# KiCad board BACKUP_PCB.kicad_pcb (continued)
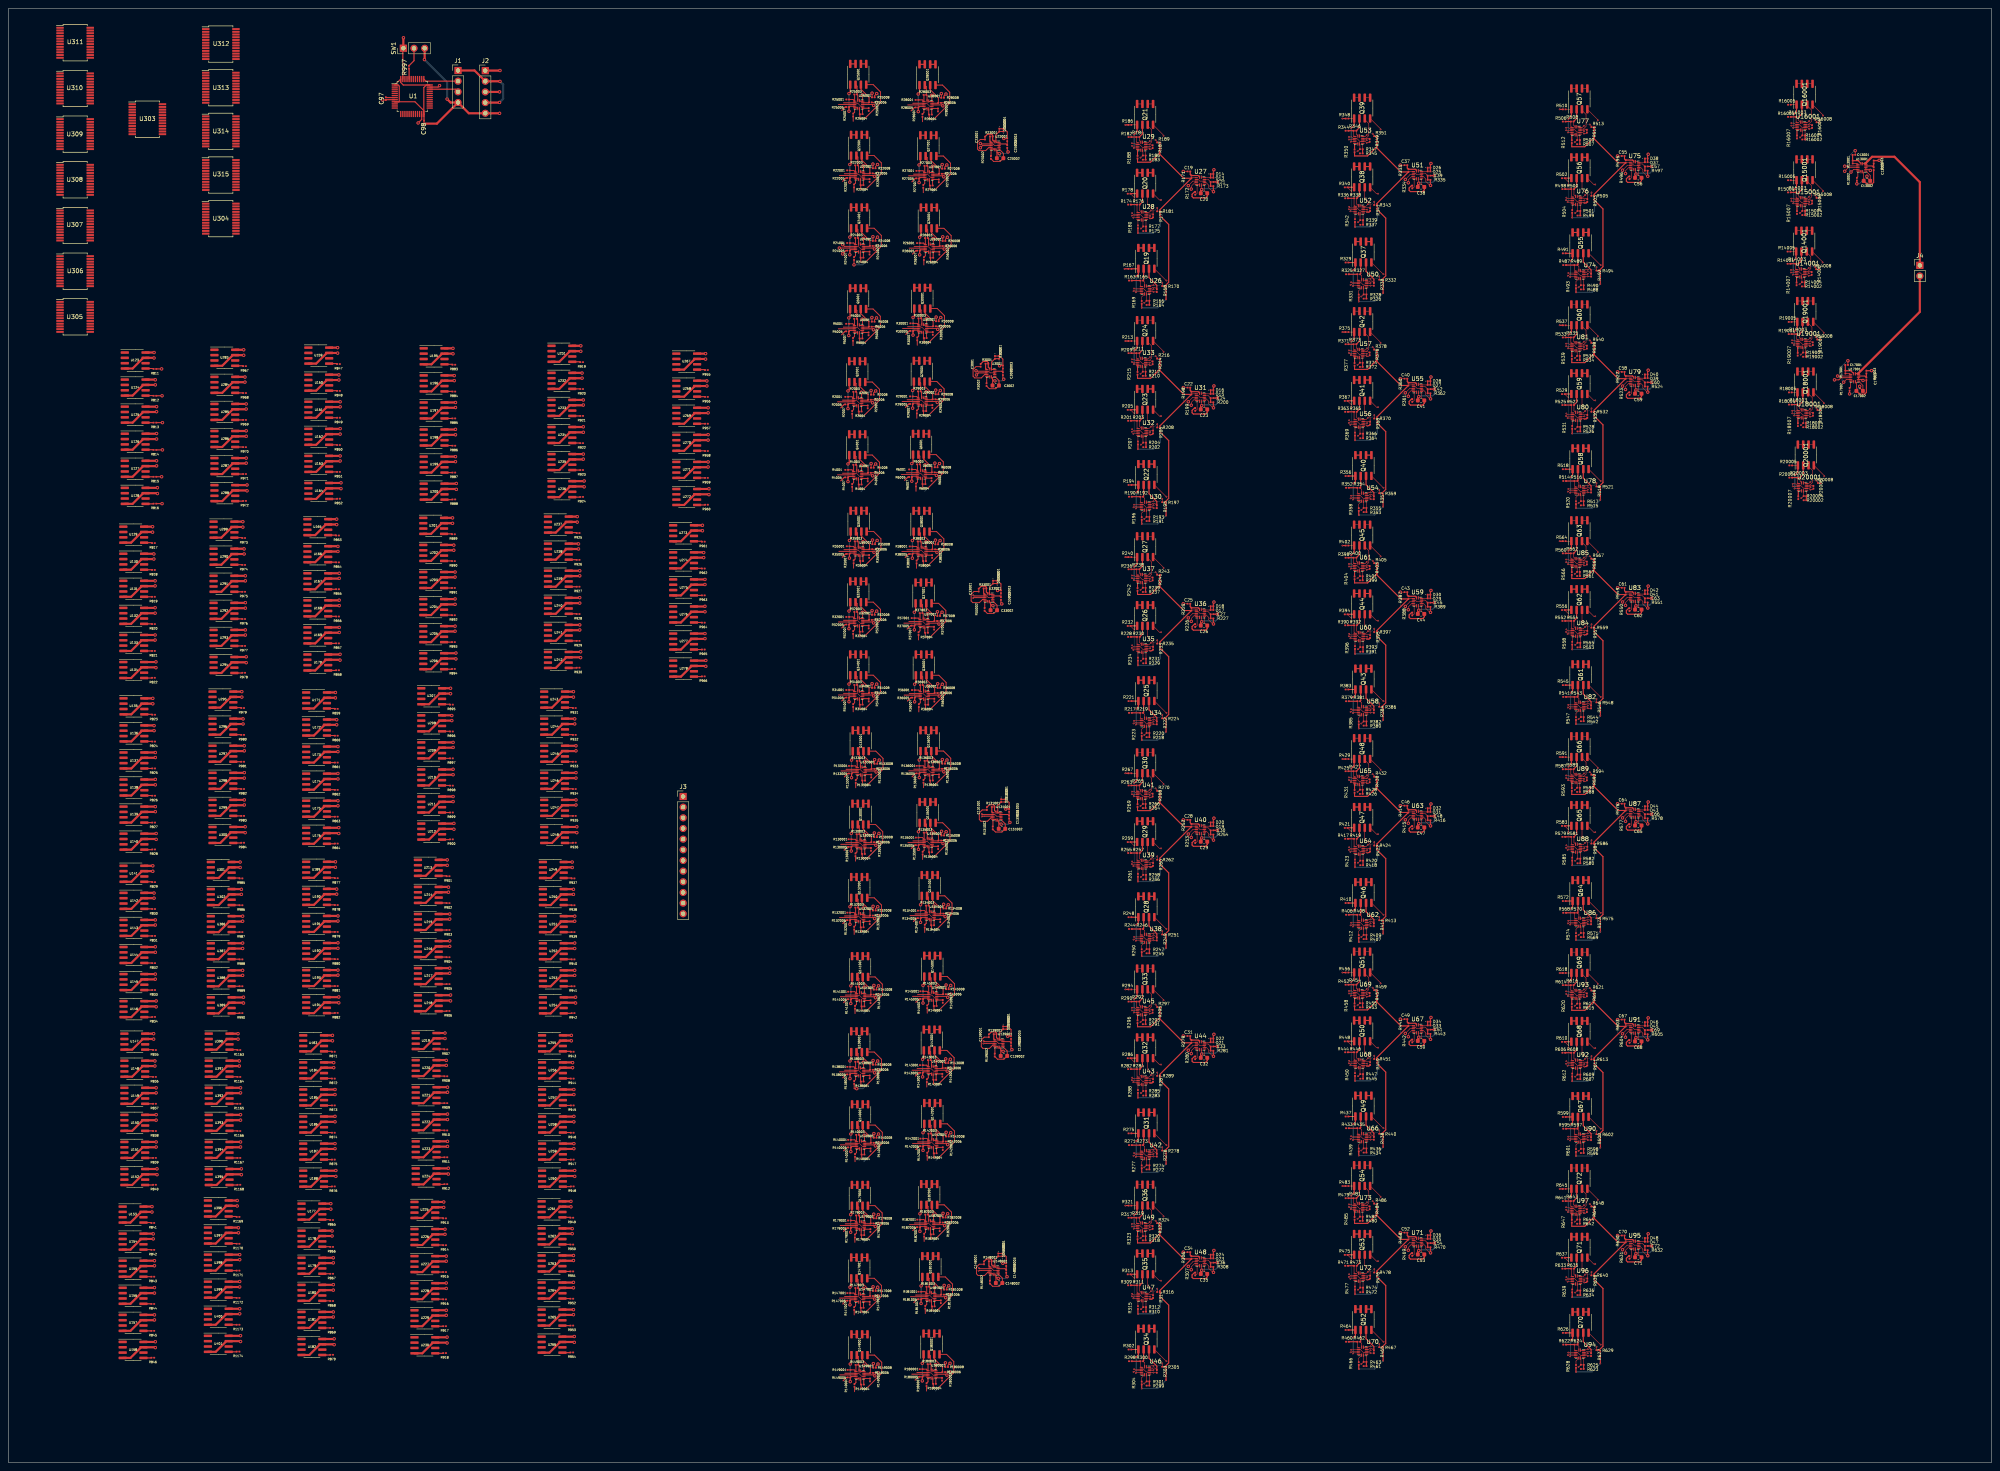
[diagram p0: board, top side]
## Routing (per net, layer and track width the routed paths; a pad name or vN(x,y) marks a point on that pad's centre or on a via; arc(x,y) is an arc through that point) (continued)
  Top w0.13: U148001.10 234.68,45.79 234.28,46.19 U148001.2 ; U33001.10 233.43,206.1 233.03,206.5 U33001.2 ; U139001.2 235.44,100.3 235.84,99.9 U139001.10 ; U131001.2 234.97,154.43 235.37,154.03 U131001.10 ; U3001.10 233.89,259.65 233.49,260.05 U3001.2 ; U23001.2 234.53,314.2 234.93,313.8 U23001.10
  Top w0.15: v2(437.41,308.9) 437.46,308.95 U13001.2 ; U17001.2 435.73,258.9
  Top w0.2: R22006.1 v2(207.03,307.2) ; D139001.1 D139002.2 238.1,103.92 238.84,103.18 R139003.2 238.06,101.62 v2(238.04,101.6) ; R142006.1 v2(224.47,76.5) ; R140006.1 v2(207.27,76.2) ; U134001.2 215.97,130.72 ; D148001.1 D148002.2 236.94,49.81 237.68,49.07 R148003.2 236.9,47.51 v2(236.88,47.49) ; R147006.1 v2(207.07,39.69) ; U2001.2 198.69,253.15 ; v2(441.77,257.84) 441.52,258.1 U17001.9 U17001.10 ; U5001.2 198.89,270.55 ; U27001.2 215.63,307 ; v2(237.57,155.72) 237.59,155.75 R131003.2 238.37,157.3 237.62,158.04 D131002.2 D131001.1 ; U132001.2 199.17,130.25 ; D3001.1 D3002.2 236.14,263.67 236.89,262.93 R3003.2 236.11,261.37 v2(236.09,261.35) ; U147001.2 199.17,39.59 ; v2(230.49,260.15) 230.59,260.06 230.59,260.05 U3001.2 ; U34001.2 198.93,183.3 ; U28001.2 215.43,323.9 ; U35001.2 199.03,217.53 ; U33001.2 230,206.5 v1(229.82,206.68) ; R26006.1 v2(223.66,289.88) ; R35006.1 v2(206.93,217.62) ; U4001.2 198.69,235.75 ; R29006.1 v2(221.99,253.35) ; R134006.1 v2(223.87,130.82) ; R141006.1 v2(207.27,111.5) ; U3001.10 U3001.9 ; U36001.2 214.56,183.28 ; U182001.2 215.83,57.09 ; R34006.1 v2(206.83,183.4) ; R135006.1 v2(223.37,148.22) ; R138006.1 v2(207.07,93.6) ; R133006.1 v2(207.44,165.3) ; v1(232.27,100.5) 232.47,100.3 U139001.2 ; U142001.2 216.57,76.4 ; U141001.2 199.37,111.4 ; R143006.1 v2(224.37,94) ; R4006.1 v2(206.59,235.85) ; U145001.2 216.57,111.5 ; R30006.1 v2(222.09,270.75) ; U131001.2 231.99,154.43 v1(231.84,154.58) ; R179006.1 v2(207.23,56.99) ; U25001.2 198.93,324 ; D23001.1 D23002.2 237.18,317.82 237.93,317.08 R23003.2 237.15,315.52 v2(237.13,315.5) ; U131001.10 U131001.9 ; R32006.1 v2(206.83,200.8) ; v2(443.81,260.2) 443.79,260.18 443.79,260.16 ; R145006.1 v2(224.47,111.6) ; U148001.10 U148001.9 ; U37001.2 214.5,200.43 ; U23001.10 U23001.9 ; R25006.1 v2(206.83,324.1) ; U179001.2 199.33,56.89 ; R38006.1 v2(221.93,217.6) ; U26001.2 215.76,289.77 ; U29001.2 214.09,253.25 ; U30001.2 214.19,270.65 ; U139001.10 U139001.9 ; U33001.10 U33001.9 ; U22001.2 199.13,307.1 ; R180006.1 v2(224.3,21.57) ; R24006.1 v2(207.03,289.9) ; U130001.2 199.47,147.72 ; 435.73,258.9 v2(435.71,258.9) ; U148001.2 231.33,46.19 v1(231.13,46.39) ; v2(235.63,207.8) 235.65,207.82 R33003.2 236.43,209.38 235.68,210.12 D33002.2 D33001.1 ; R5006.1 v2(206.79,270.65) ; U38001.2 214.03,217.5 ; U13001.10 U13001.9 443.25,308.15 v2(443.51,307.9) ; U133001.2 199.54,165.2 ; R27006.1 v2(223.53,307.1) ; U181001.2 216.1,39.92 ; R6006.1 v2(221.79,235.95) ; R36006.1 v2(222.46,183.38) ; U138001.2 199.17,93.5 ; v2(198.73,290.2) 199.13,289.8 U24001.2 ; R149006.1 v2(207.13,21.39) ; U140001.2 199.37,76.1 ; U143001.2 216.47,93.9 ; U23001.2 231.63,314.2 v2(231.53,314.3) ; R28006.1 v2(223.33,324) ; R181006.1 v2(224,40.02) ; U32001.2 198.93,200.7 ; R132006.1 v2(207.07,130.35) ; R136006.1 v2(223.57,165.32) ; R130006.1 v2(207.37,147.82) ; U180001.2 216.4,21.47 ; U6001.2 213.89,235.85 ; U135001.2 215.47,148.12 ; U149001.2 199.23,21.29 ; U136001.2 215.67,165.22 ; R2006.1 v2(206.59,253.25) ; R37006.1 v2(222.4,200.53) ; R182006.1 v2(223.73,57.19)
  Top w0.25: R497.2 390.46,306.56 v2(390.5,306.51) ; v2(287.06,96.83) 287.01,96.87 R281.2 ; 198.83,19.49 199.63,20.29 R149005.1 ; R470.2 338.71,50.02 v2(338.76,49.98) ; R510.1 v1(369.5,322.44) ; R29005.1 214.49,252.25 213.69,251.45 ; 215.23,305.2 216.03,306 R27005.1 ; R557.1 375.82,197.25 v1(375.4,197.25) ; v2(390.6,311.74) 390.46,311.6 D38.2 D37.1 ; 215.36,287.98 216.16,288.77 R26005.1 ; v2(390.6,105.96) 390.46,105.82 D46.2 D45.1 ; R25005.1 199.33,323 198.53,322.2 ; R32005.1 199.33,199.7 198.53,198.9 ; R143005.1 216.87,92.9 216.07,92.1 ; R368.1 324.08,247.08 v1(323.66,247.08) ; v2(390.6,260.29) 390.46,260.15 D40.2 D39.1 ; v2(287.06,148.33) 287.01,148.37 R254.2 ; R362.2 338.71,253.5 v2(338.76,253.46) ; 215.7,38.12 216.5,38.92 R181005.1 ; R141005.1 199.77,110.4 198.97,109.6 ; v2(287.06,45.33) 287.01,45.37 R308.2 ; 198.77,128.45 199.57,129.25 R132005.1 ; R233.1 272.38,193.45 v1(271.96,193.45) ; R38005.1 214.43,216.5 213.63,215.7 ; D29.1 D30.2 338.71,207.67 v2(338.86,207.81) ; R17003.2 443.79,260.16 ; 198.29,251.35 199.09,252.15 R2005.1 ; v2(287.06,199.83) 287.01,199.87 R227.2 ; 198.29,233.95 199.09,234.75 R4005.1 ; R578.2 390.46,152.22 v2(390.5,152.18) ; D33.1 D34.2 338.71,105.93 v2(338.86,106.07) ; v2(338.86,309.55) 338.71,309.41 D26.2 D25.1 ; R167.1 v1(265.86,284.45) ; D31.1 D32.2 338.71,156.8 v2(338.86,156.94) ; R135005.1 215.87,147.12 215.07,146.32 ; R638.1 375.82,42.92 v1(375.4,42.92) ; R564.1 v1(369.5,219.55) ; R456.1 v1(317.76,116.77) ; v2(390.6,157.41) 390.46,157.26 D44.2 D43.1 ; 215.43,55.29 216.23,56.09 R182005.1 ; 198.77,37.79 199.57,38.59 R147005.1 ; D15.1 D16.2 287.01,256.41 v2(287.16,256.55) ; D41.1 D42.2 390.46,208.71 v2(390.6,208.85) ; D21.1 D22.2 287.01,101.91 v2(287.16,102.05) ; v1(271.96,296.45) 272.38,296.45 R179.1 ; v1(323.66,43.6) 324.08,43.6 R476.1 ; 215.57,128.93 216.37,129.72 R134005.1 ; R645.1 v1(369.5,65.22) ; R530.1 375.82,248.69 v1(375.4,248.69) ; D23.1 D24.2 287.01,50.41 v2(287.16,50.55) ; v2(102.7,328.1) 102.35,327.75 U1.35 ; 198.97,74.3 199.77,75.1 R140005.1 ; R503.1 375.82,300.14 v1(375.4,300.14) ; 198.93,55.09 199.73,55.89 R179005.1 ; R136005.1 216.07,164.22 215.27,163.43 ; 216.17,109.7 216.97,110.5 R145005.1 ; 216,19.67 216.8,20.47 R180005.1 ; 198.73,305.3 199.53,306.1 R22005.1 ; 199.07,145.93 199.87,146.72 R130005.1 ; R591.1 v1(369.5,168.11) ; R142005.1 216.97,75.4 216.17,74.6 ; R240.1 v1(266.06,215.75) ; R314.1 272.38,38.95 v1(271.96,38.95) ; 198.49,268.75 199.29,269.55 R5005.1 ; R443.2 338.71,100.89 v2(338.76,100.85) ; R213.1 v1(266.06,267.25) ; D17.1 D18.2 287.01,204.91 v2(287.16,205.05) ; R30005.1 214.59,269.65 213.79,268.85 ; D47.1 D48.2 390.46,54.38 v2(390.6,54.52) ; U1.47 93.95,336.88 ; R395.1 324.08,196.21 v1(323.66,196.21) ; 213.49,234.05 214.29,234.85 R6005.1 ; R36005.1 214.96,182.28 214.16,181.47 ; R375.1 v1(317.76,269.38) ; R389.2 338.71,202.63 v2(338.76,202.59) ; R200.2 287.01,251.37 v2(287.06,251.33) ; R618.1 v1(369.5,116.66) ; R34005.1 199.33,182.3 198.53,181.5 ; R287.1 272.38,90.45 v1(271.96,90.45) ; D35.1 D36.2 338.71,55.06 v2(338.86,55.2) ; v2(390.5,255.07) 390.46,255.11 R524.2 ; 89.97,324.75 U1.8 ; R449.1 324.08,94.47 v1(323.66,94.47) ; C97.1 89.12,324.68 v2(89.1,324.7) ; R335.2 338.71,304.37 v2(338.76,304.33) ; v2(338.86,258.68) 338.71,258.54 D28.2 D27.1 ; R294.1 v1(266.06,112.75) ; R35005.1 199.43,216.53 198.63,215.72 ; v1(323.66,145.34) 324.08,145.34 R422.1 ; 198.77,91.7 199.57,92.5 R138005.1 ; R28005.1 215.83,322.9 215.03,322.1 ; R605.2 390.46,100.78 v2(390.5,100.74) ; R537.1 v1(369.5,270.99) ; v1(375.4,145.81) 375.82,145.81 R584.1 ; v2(287.06,302.83) 287.01,302.87 R173.2 ; v1(271.96,244.95) 272.38,244.95 R206.1 ; 214.1,198.62 214.9,199.43 R37005.1 ; v2(97.6,319.2) 98.45,320.05 U1.23 ; v2(338.76,151.72) 338.71,151.76 R416.2 ; v2(287.16,308.05) 287.01,307.91 D14.2 D13.1 ; R186.1 v1(266.06,318.75) ; R348.1 v1(317.76,320.25) ; 199.14,163.4 199.94,164.2 R133005.1 ; v1(375.4,94.36) 375.82,94.36 R611.1 ; v2(287.16,153.55) 287.01,153.41 D20.2 D19.1 ; v1(323.66,297.95) 324.08,297.95 R341.1 ; R483.1 v1(317.76,65.9) ; R321.1 v1(266.06,61.25) ; R267.1 v1(266.06,164.25) ; R24005.1 199.53,288.8 v2(198.73,288) ; v1(271.96,141.95) 272.38,141.95 R260.1 ; R13003.2 445.53,310.22 v2(445.61,310.3) ; R551.2 390.46,203.67 v2(390.5,203.63) ; R429.1 v1(317.76,167.64) ; R632.2 390.46,49.34 v2(390.5,49.29) ; R402.1 v1(317.76,218.51)
  Top w0.5: U222.7 104.58,81.74 v2(104.6,81.75) ; 31.82,134.49 29.28,131.94 U142.4 ; 71.22,221 73.08,221 75.62,223.53 ; U194.7 78.61,109.63 v2(78.7,109.55) ; U273.4 160.21,219.53 162.75,222.07 ; 102.75,183.24 100.21,180.7 U207.4 ; U153.7 34.16,59.74 v2(34.2,59.7) ; U399.4 49.38,39.3 51.92,41.83 ; v2(78.42,264.37) 78.39,264.4 U159.7 ; U206.4 100.68,189.04 103.22,191.59 ; v2(78.5,162.9) 78.48,162.88 U174.7 ; v2(136.95,252) 136.88,251.94 U233.7 ; 70.92,160.34 72.78,160.34 75.32,162.88 ; U285.7 56.58,250.99 v2(56.65,251.05) ; v2(105.92,157.5) 105.86,157.44 U211.7 ; U164.7 79.14,232.15 v2(79.22,232.06) ; 32.33,221.74 34.31,221.74 v2(34.35,221.7) ; 131.52,94.08 128.98,91.55 U256.4 ; v2(35.2,108.6) 35.12,108.69 U146.7 ; 131.52,68.29 128.98,65.75 U260.4 ; 32.02,94.49 29.48,91.94 27.62,91.94 ; 101.42,88.19 98.88,85.64 97.03,85.64 ; U123.4 29.58,260.69 32.12,263.24 ; v2(34.8,46.9) 34.73,46.83 U155.7 ; 74.62,68.29 72.08,65.75 70.22,65.75 ; 74.22,53.99 71.68,51.44 69.83,51.44 ; 31.62,33.94 29.08,31.39 U157.4 ; U290.4 50.73,213.94 53.27,216.49 ; U226.7 104.02,54.38 v2(104,54.4) ; U141.7 34.37,140.94 v2(34.4,140.9) ; U256.7 134.41,94.08 v2(134.4,94.1) ; v2(34.65,215.3) 34.66,215.28 U130.7 ; U233.4 131.23,249.39 133.77,251.94 ; 96.72,32.5 98.58,32.5 101.12,35.04 ; v2(104.53,142.31) 104.49,142.35 U213.7 ; U259.7 134.63,74.74 v2(134.7,74.8) ; U202.4 100.68,214.84 103.22,217.38 ; U255.4 128.98,98 131.52,100.54 ; v2(166.68,250.13) 166.61,250.07 U269.7 ; v2(165.62,215.63) 165.64,215.62 U274.7 ; U253.7 134.84,116.03 v2(134.9,116.1) ; v2(55.1,35.45) 55.03,35.38 U400.7 ; 31.82,148.59 29.28,146.04 U140.4 ; v2(166.68,237.24) 166.61,237.17 U271.7 ; v2(166.38,256.53) 166.39,256.52 U268.7 ; U272.4 160.96,228.18 163.5,230.72 ; U160.7 78.74,257.95 v2(78.72,257.97) ; U137.7 34.94,167.94 v2(35,168) ; U128.7 35.41,230.99 v2(35.5,230.9) ; U290.7 56.17,216.49 v2(56.15,216.5) ; U139.4 29.28,152.5 31.82,155.03 ; 51.92,35.38 49.38,32.85 U400.4 ; v2(77.2,100.5) 77.17,100.54 75.17,100.54 ; v2(134.7,87.7) 134.63,87.63 U257.7 ; U247.7 135.13,156.63 v2(135.2,156.7) ; U294.4 50.73,188.15 53.27,190.69 ; v2(117.1,329.1) 117.06,329.13 J2.2 111.03,331.7 J1.1 ; U224.4 98.88,66.3 101.42,68.83 ; v2(55.5,68.6) 55.42,68.69 U395.7 ; v2(134.3,141.8) 134.26,141.84 132.28,141.84 ; v2(56.2,156.7) 56.14,156.63 U299.7 ; U168.7 78.78,204.19 v2(78.8,204.2) ; U136.7 34.72,174.38 v2(34.7,174.4) ; U127.7 35.23,237.44 v2(35.3,237.5) ; 131.42,48.08 128.88,45.55 U263.4 ; U221.7 104.53,88.19 v2(104.6,88.25) ; U150.4 29.48,79.05 32.02,81.58 ; 27.62,66.14 29.48,66.14 32.02,68.69 ; 31.62,46.83 29.08,44.3 U155.4 ; 70.92,113.54 72.78,113.54 75.32,116.09 ; v2(135.8,217.7) 135.81,217.69 U238.7 ; v2(105.92,170.41) 105.86,170.34 U209.7 ; 74.62,94.08 72.08,91.55 70.22,91.55 ; U246.4 129.48,160.54 132.02,163.09 ; v2(134.6,48.15) 134.53,48.08 U263.7 ; U298.7 56.19,163.09 v2(56.2,163.1) ; U274.4 160.21,213.08 162.75,215.62 ; 133.77,264.83 131.23,262.3 U231.4 ; U223.4 98.88,72.75 101.42,75.29 ; U235.7 136.88,239.03 v2(136.95,239.1) ; 75.62,217.09 73.08,214.54 71.22,214.54 ; U252.7 134.88,122.49 v2(134.9,122.5) ; U277.7 165.86,196.27 v2(165.93,196.34) ; v2(76.8,60.4) 76.77,60.44 74.78,60.44 ; 131.72,141.84 129.18,139.29 127.32,139.29 ; 32.02,100.94 29.48,98.39 27.62,98.39 ; v2(55.8,129) 55.73,128.94 U386.7 ; SW1.1 94.08,339.48 v2(94.1,339.5) ; U213.4 99.41,139.81 101.95,142.35 ; U294.7 56.56,190.69 v2(56.65,190.6) ; v2(106.4,204.5) 106.39,204.49 103.78,204.49 ; v2(105.33,110.01) 105.24,110.1 U218.7 ; v2(136.65,258.4) 136.66,258.38 U232.7 ; 131.42,60.99 128.88,58.44 127.03,58.44 ; U162.7 79.01,245.05 v2(79.03,245.06) ; v2(135.4,150.1) 135.31,150.19 U248.7 ; v2(78.5,116.15) 78.44,116.09 U193.7 ; v2(35.4,68.6) 35.31,68.69 U152.7 ; U192.7 78.48,122.53 v2(78.5,122.55) ; 49.08,235.55 50.93,235.55 53.47,238.08 ; v2(106.1,217.4) 106.11,217.38 103.78,217.38 ; v2(104.8,68.75) 104.72,68.83 U224.7 ; 134.32,232.58 137.06,232.58 v2(137.15,232.5) ; v2(104.3,41.5) 104.28,41.49 U228.7 ; U146.4 29.28,106.15 31.82,108.69 ; 162.75,209.17 160.21,206.63 U275.4 ; U296.7 55.92,175.99 v2(55.9,176) ; v2(105.12,123.01) 105.11,123 U216.7 ; 75.32,122.53 72.78,120 70.92,120 ; v2(56,109.5) 55.92,109.59 U389.7 ; U227.7 104.23,47.94 v2(104.3,48) ; v2(103.7,60.8) 103.67,60.83 U225.7 ; 49.08,261.35 50.93,261.35 53.47,263.88 ; U181.4 71.68,32.1 74.22,34.63 ; 75.32,128.99 72.78,126.44 70.92,126.44 ; U143.4 29.28,125.5 31.82,128.03 ; U158.7 34.91,27.49 v2(35,27.4) ; 132.92,191.88 130.38,189.34 U242.4 ; 74.22,60.44 71.68,57.89 U177.4 ; v2(35.2,75.2) 35.13,75.13 U151.7 ; 75.85,238.6 73.31,236.06 U163.4 ; 75.32,149.99 72.78,147.44 70.92,147.44 ; U135.4 29.28,178.29 31.82,180.84 ; U296.4 50.48,173.44 53.02,175.99 ; v2(78.2,175.8) 78.22,175.78 U172.7 ; 52.62,135.38 50.08,132.84 U302.4 ; 49.08,254.89 50.93,254.89 53.47,257.44 ; 53.17,141.84 55.17,141.84 v2(55.2,141.8) ; 96.72,51.85 98.58,51.85 101.12,54.38 ; 98.92,242.34 100.78,242.34 103.32,244.88 ; U166.7 78.52,217.09 v2(78.5,217.1) ; U176.7 78.61,149.99 v2(78.7,149.9) ; v2(56.05,263.85) 56.02,263.88 U283.7 ; U156.7 34.78,40.38 v2(34.8,40.4) ; U216.4 99.41,120.46 101.95,123 ; U139.7 34.94,155.03 v2(35,155.1) ; v2(55.3,81.6) 55.28,81.58 U393.7 ; U292.4 50.73,201.04 53.27,203.59 ; 101.42,101.08 98.88,98.55 U219.4 ; v2(106.6,191.5) 106.52,191.59 103.78,191.59 ; 75.85,232.15 73.31,229.61 U164.4 ; 47.73,98.39 49.58,98.39 52.12,100.94 ; U398.7 55.03,48.29 v2(55.1,48.35) ; v2(35.15,189.4) 35.06,189.49 U134.7 ; U270.4 160.96,241.08 163.5,243.62 ; U243.7 134.56,182.44 v2(134.6,182.4) ; U388.4 50.08,113.5 52.62,116.03 ; 131.42,41.63 128.88,39.1 U264.4 ; v2(55.8,122.5) 55.78,122.49 U387.7 ; U128.4 29.58,228.44 32.12,230.99 ; v2(134,60.95) 133.97,60.99 U261.7 ; U138.4 29.28,158.94 31.82,161.49 ; 74.62,81.19 72.08,78.64 70.22,78.64 ; 102.75,157.44 100.21,154.9 U211.4 ; 53.02,163.09 50.48,160.54 U298.4 ; U300.7 56.31,150.19 v2(56.4,150.1) ; U277.4 160.21,193.73 162.75,196.27 ; U286.7 56.64,244.53 v2(56.65,244.55) ; 31.62,40.38 29.08,37.85 U156.4 ; 31.77,215.28 29.23,212.75 U130.4 ; U235.4 131.23,236.5 133.77,239.03 ; 132.02,156.63 129.48,154.09 U247.4 ; v2(79.03,251.56) 78.96,251.5 U161.7 ; 31.62,59.74 29.08,57.19 U153.4 ; v2(134.9,176) 134.91,175.99 U244.7 ; U291.7 56.39,210.03 v2(56.45,210.1) ; 31.77,189.49 29.23,186.94 U134.4 ; v2(79.03,238.67) 78.96,238.6 U163.7 ; v2(34.6,100.9) 34.56,100.94 U147.7 ; v2(55.3,28.85) 55.22,28.94 U401.7 ; 52.67,88.04 55.23,88.04 v2(55.3,88.1) ; 132.02,182.44 129.48,179.9 U243.4 ; v2(56.2,169.6) 56.14,169.53 U297.7 ; v2(35.2,88.1) 35.13,88.04 32.58,88.04 ; U278.7 166.04,189.82 v2(166.12,189.74) ; U240.4 130.38,202.25 132.92,204.78 ; U250.7 134.62,135.38 v2(134.6,135.4) ; U200.7 106.61,231.99 v2(106.7,231.9) ; 103.78,198.03 106.33,198.03 v2(106.4,198.1) ; U222.4 98.88,79.19 101.42,81.74 ; U167.7 78.73,210.63 v2(78.8,210.7) ; 101.12,60.83 98.58,58.3 96.72,58.3 ; v2(34.8,34) 34.73,33.94 U157.7 ; U190.7 78.22,135.44 v2(78.2,135.45) ; U232.4 131.23,255.84 133.77,258.38 ; U398.4 49.38,45.75 51.92,48.29 ; U165.7 78.17,223.53 v2(78.2,223.5) ; v2(35,115.2) 34.94,115.13 U145.7 ; U276.7 165.91,202.72 v2(165.93,202.74) ; U291.4 50.73,207.5 53.27,210.03 ; v2(56.45,203.6) 56.44,203.59 U292.7 ; 52.62,122.49 50.08,119.94 U387.4 ; 131.72,122.49 129.18,119.94 127.32,119.94 ; 131.72,116.03 129.18,113.5 127.32,113.5 ; U230.7 104.42,28.58 v2(104.5,28.5) ; 32.33,208.84 34.88,208.84 v2(34.95,208.9) ; v2(34.5,53.3) 34.52,53.29 U154.7 ; 75.62,204.19 73.08,201.65 71.22,201.65 ; 75.32,141.88 72.78,139.34 70.92,139.34 ; 127.32,107.04 129.18,107.04 131.72,109.59 ; v2(35.2,81.6) 35.19,81.58 U150.7 ; 75.32,135.44 72.78,132.9 70.92,132.9 ; 51.92,54.74 49.38,52.19 U397.4 ; 102.75,150.99 100.21,148.45 U212.4 ; 52.12,81.58 49.58,79.05 U393.4 ; 103.22,210.94 100.68,208.4 U203.4 ; U149.4 29.48,85.5 32.02,88.04 ; U240.7 136.09,204.78 v2(136.1,204.8) ; U179.4 71.68,45 74.22,47.54 ; v2(136.1,211.3) 136.03,211.24 133.47,211.24 ; 163.5,256.52 160.96,253.98 U268.4 ; 163.5,262.97 160.96,260.43 U267.4 ; U295.7 55.56,182.44 v2(55.6,182.4) ; v2(77.9,141.85) 77.86,141.88 U189.7 ; 162.75,202.72 160.21,200.18 U276.4 ; v2(55.1,41.85) 55.08,41.83 U399.7 ; v2(105.12,129.51) 105.06,129.45 U215.7 ; v2(77.8,81.2) 77.78,81.19 U186.7 ; 101.95,135.9 99.41,133.36 U214.4 ; U259.4 128.98,72.19 131.52,74.74 ; v2(34.4,180.8) 34.37,180.84 32.38,180.84 ; U214.7 104.84,135.9 v2(104.83,135.91) ; v2(34.7,263.2) 34.66,263.24 U123.7 ; 75.32,169.34 72.78,166.79 70.92,166.79 ; U302.7 55.52,135.38 v2(55.5,135.4) ; U210.4 100.21,161.35 102.75,163.89 ; 49.08,229.09 50.93,229.09 53.47,231.63 ; U234.4 131.23,242.94 133.77,245.49 ; 75.85,264.4 73.31,261.86 U159.4 ; 74.62,87.63 72.08,85.1 70.22,85.1 ; U127.4 29.58,234.89 32.12,237.44 ; 103.32,257.78 100.78,255.25 98.92,255.25 ; 103.32,231.99 100.78,229.44 98.92,229.44 ; U210.7 105.91,163.89 v2(105.92,163.91) ; U180.4 71.68,38.55 74.22,41.08 ; v2(55.3,75.2) 55.23,75.13 U394.7 ; 70.92,153.9 72.78,153.9 75.32,156.44 ; U248.4 129.48,147.65 132.02,150.19 ; U124.4 29.58,254.25 32.12,256.78 ; v2(165.32,222.03) 165.29,222.07 U273.7 ; 163.5,250.07 160.96,247.53 U269.4 ; v2(106.12,150.91) 106.04,150.99 U212.7 ; 69.83,25.64 71.68,25.64 74.22,28.19 ; U299.4 50.48,154.09 53.02,156.63 ; U133.4 29.23,193.4 31.77,195.94 ; 131.42,35.19 128.88,32.64 127.03,32.64 ; 103.32,238.44 100.78,235.89 98.92,235.89 ; 132.92,224.13 130.38,221.59 U237.4 ; U262.4 128.88,52 131.42,54.54 ; v2(166.68,243.63) 166.66,243.62 U270.7 ; v2(54.8,54.75) 54.81,54.74 U397.7 ; v2(117,324.1) 116.96,324.06 J2.4 ; v2(134.9,68.2) 134.81,68.29 U260.7 ; v2(77.6,28.1) 77.52,28.19 74.78,28.19 ; 52.62,128.94 50.08,126.4 U386.4 ; U390.7 54.67,100.94 v2(54.7,100.9) ; v2(79,191.2) 78.92,191.28 U170.7 ; 52.12,75.13 49.58,72.6 U394.4 ; 75.62,191.28 73.08,188.75 71.22,188.75 ; U275.7 165.86,209.17 v2(165.93,209.24) ; v2(105.12,116.62) 105.06,116.55 U217.7 ; 70.92,173.25 72.78,173.25 75.32,175.78 ; U197.7 106.44,251.33 v2(106.5,251.4) ; v2(105.62,176.81) 105.64,176.79 U208.7 ; 103.22,198.03 100.68,195.5 U205.4 ; v2(56.35,257.45) 56.36,257.44 U284.7 ; v2(77.4,47.6) 77.33,47.54 74.78,47.54 ; 70.92,107.09 72.78,107.09 75.32,109.63 ; v2(105.8,223.8) 105.77,223.84 103.78,223.84 ; U295.4 50.48,179.9 53.02,182.44 ; U396.7 54.47,61.19 v2(54.5,61.15) ; 101.42,94.63 98.88,92.1 U220.4 ; v2(104.6,75.35) 104.53,75.29 U223.7 ; 31.62,27.49 29.08,24.94 27.23,24.94 ; 101.95,129.45 99.41,126.91 U215.4 ; U245.4 129.48,167 132.02,169.53 ; U204.4 100.68,201.94 103.22,204.49 ; U209.4 100.21,167.8 102.75,170.34 ; U198.7 106.48,244.88 v2(106.5,244.9) ; U125.4 29.58,247.8 32.12,250.33 ; U271.4 160.96,234.63 163.5,237.17 ; U188.7 77.92,68.29 v2(78,68.2) ; 52.62,109.59 50.08,107.04 U389.4 ; U201.4 100.68,221.29 103.22,223.84 ; U218.4 99.41,107.56 101.95,110.1 ; 132.07,100.54 134.06,100.54 v2(134.1,100.5) ; U234.7 136.94,245.49 v2(136.95,245.5) ; U266.4 128.88,26.19 131.42,28.74 ; 53.02,169.53 50.48,167 U297.4 ; 31.82,115.13 29.28,112.59 U145.4 ; v2(134.3,54.55) 134.31,54.54 131.97,54.54 ; U133.7 34.88,195.94 v2(34.95,196) ; v2(77.9,182.2) 77.86,182.24 75.88,182.24 ; U126.4 29.58,241.34 32.12,243.88 ; 32.02,75.13 29.48,72.6 U151.4 ; U144.4 29.28,119.04 31.82,121.59 ; v2(56.45,197.2) 56.39,197.13 U293.7 ; U301.4 50.08,139.29 52.62,141.84 ; U143.7 34.94,128.03 v2(35,128.1) ; 74.78,53.99 77.11,53.99 v2(77.1,54) ; v2(104,101.05) 103.97,101.08 U219.7 ; U187.7 77.73,74.74 v2(77.8,74.8) ; 98.92,248.8 100.78,248.8 103.32,251.33 ; U208.4 100.21,174.25 102.75,176.79 ; U231.7 136.31,264.83 v2(136.35,264.8) ; U125.7 35.23,250.33 v2(35.3,250.4) ; U148.7 34.91,94.49 v2(34.9,94.5) ; U289.7 55.81,222.94 v2(55.85,222.9) ; U293.4 50.73,194.59 53.27,197.13 ; v2(34.95,202.4) 34.94,202.38 U132.7 ; v2(134.8,28.65) 134.72,28.74 U266.7 ; 47.73,91.94 49.58,91.94 52.12,94.49 ; 47.52,58.64 49.38,58.64 51.92,61.19 ; 31.82,167.94 29.28,165.4 U137.4 ; 101.12,47.94 98.58,45.39 96.72,45.39 ; U131.4 29.23,206.29 31.77,208.84 ; 103.88,257.78 106.22,257.78 v2(106.2,257.8) ; U401.4 49.38,26.39 51.92,28.94 ; v2(134.7,81.2) 134.69,81.19 U258.7 ; v2(77.4,34.7) 77.33,34.63 74.78,34.63 ; 101.95,116.55 99.41,114.01 U217.4 ; U388.7 55.73,116.03 v2(55.8,116.1) ; 74.78,41.08 77.39,41.08 v2(77.4,41.1) ; U220.7 104.31,94.63 v2(104.3,94.65) ; v2(106.5,238.5) 106.44,238.44 U199.7 ; 96.72,26.05 98.58,26.05 101.12,28.58 ; U245.7 135.13,169.53 v2(135.2,169.6) ; U288.7 56.77,231.63 v2(56.85,231.55) ; 133.47,198.34 136.03,198.34 v2(136.1,198.4) ; U138.7 34.98,161.49 v2(35,161.5) ; 127.32,132.84 129.18,132.84 131.72,135.38 ; 133.77,232.58 131.23,230.04 129.38,230.04 ; U160.4 73.31,255.41 75.85,257.95 ; 31.77,221.74 29.23,219.19 U129.4 ; U238.4 130.38,215.15 132.92,217.69 ; 75.85,245.05 73.31,242.51 U162.4 ; v2(35.3,243.9) 35.28,243.88 U126.7 ; 132.92,211.24 130.38,208.69 U239.4 ; U140.7 35.12,148.59 v2(35.2,148.5) ; 53.27,222.94 50.73,220.4 U289.4 ; U184.7 77.52,94.08 v2(77.5,94.1) ; U154.4 29.08,50.75 31.62,53.29 ; U136.4 29.28,171.84 31.82,174.38 ; 103.78,210.94 106.33,210.94 v2(106.4,211) ; U142.7 34.72,134.49 v2(34.7,134.5) ; U257.4 128.98,85.1 131.52,87.63 ; 96.72,38.94 98.58,38.94 101.12,41.49 ; v2(105.9,264.2) 105.86,264.24 U195.7 ; U251.7 134.84,128.94 v2(134.9,129) ; v2(55,94.5) 55.02,94.49 U391.7 ; U254.7 135.01,109.59 v2(135.1,109.5) ; 31.77,202.38 29.23,199.84 U132.4 ; 101.67,35.04 104.23,35.04 v2(104.3,35.1) ; 127.32,126.4 129.18,126.4 131.72,128.94 ; 31.82,140.94 29.28,138.4 U141.4 ; 75.85,251.5 73.31,248.96 U161.4 ; U265.7 134.53,35.19 v2(134.6,35.25) ; U175.7 78.44,156.44 v2(78.5,156.5) ; 131.52,81.19 128.98,78.64 127.12,78.64 ; U300.4 50.48,147.65 53.02,150.19 ; U144.7 34.98,121.59 v2(35,121.6) ; 74.62,74.74 72.08,72.19 70.22,72.19 ; U392.4 49.58,85.5 52.12,88.04 ; v2(78.5,129.05) 78.44,128.99 U191.7 ; 162.75,189.82 160.21,187.28 U278.4 ; v2(78.5,169.4) 78.44,169.34 75.88,169.34 ; 98.92,261.69 100.78,261.69 103.32,264.24 ; U264.7 134.59,41.63 v2(134.6,41.65) ; v2(77.8,87.7) 77.73,87.63 U185.7 ; 75.62,197.74 73.08,195.19 71.22,195.19 ; U272.7 166.79,230.72 v2(166.88,230.63) ; 54.03,238.08 56.58,238.08 v2(56.65,238.15) ; U267.7 166.04,262.97 v2(166.07,262.94) ; v2(35,256.8) 35.02,256.78 32.67,256.78 ; 49.08,242 50.93,242 53.47,244.53 ; U237.7 135.47,224.13 v2(135.5,224.1) ; 47.73,66.14 49.58,66.14 52.12,68.69 ; v2(78.8,197.8) 78.73,197.74 76.17,197.74 ; 71.22,208.09 73.08,208.09 75.62,210.63 ; 49.08,248.44 50.93,248.44 53.47,250.99 ; U244.4 129.48,173.44 132.02,175.99 ; U207.7 105.29,183.24 v2(105.33,183.21) ; 132.92,198.34 130.38,195.79 U241.4 ; 70.92,179.69 72.78,179.69 75.32,182.24 ; U242.7 136.22,191.88 v2(136.3,191.8) ; 70.22,98 72.08,98 74.62,100.54 ; v2(135.2,163.1) 135.19,163.09 U246.7
  Bottom w0.5: v2(117,324.1) 117.85,324.95 117.85,328.35 v2(117.1,329.1)
